# Altium PCB A_base2017.PcbDoc (part 2 of 4)
Units mil, origin at the board's own origin, x right, y up, seen from the top; angles counter-clockwise.
Board outline 7800.07 x 4185 mil, 2 copper layers (Top Layer, Bottom Layer); 147 components, 175 nets, 700 pads, 92 vias.
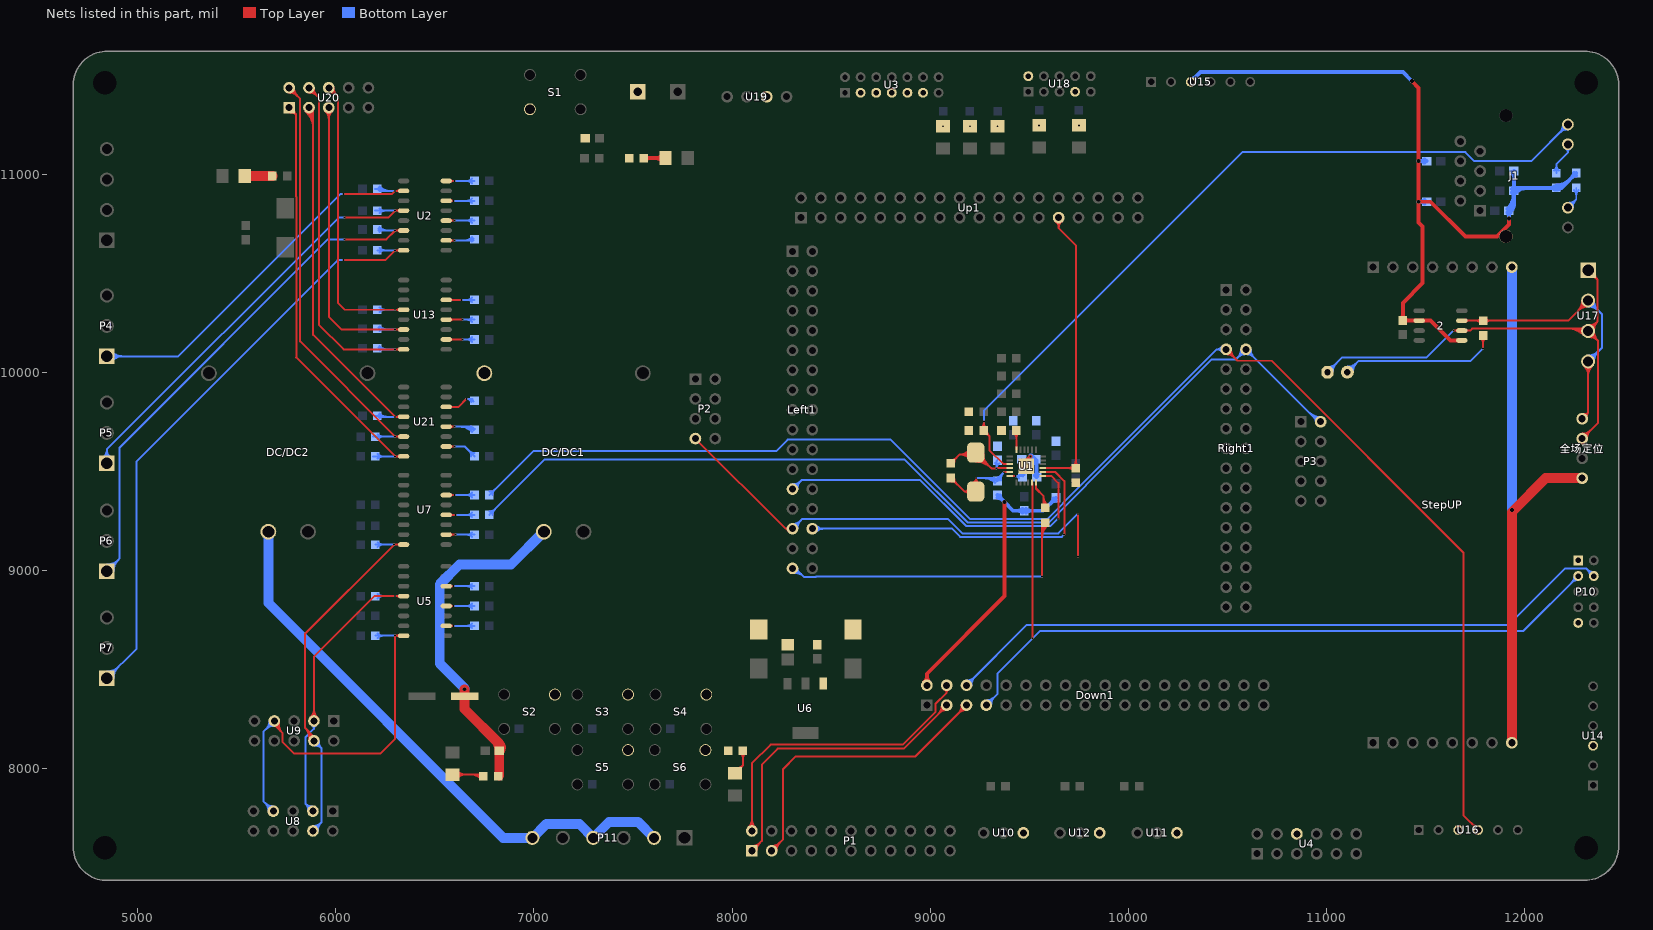
[diagram p2: the nets of this part, all layers, seen from the top]

## Via types
v1: diameter 10, hole 10, Top Layer to Bottom Layer, 80 vias
v2: diameter 20, hole 20, Top Layer to Bottom Layer, 11 vias
v3: diameter 12, hole 12, Top Layer to Bottom Layer, 1 vias

## Nets (pads, with @x,y where several pads share a name; then routed paths per layer and width w, separated by ;. In a path a pad name is that pad's centre, name@x,y a point inside that pad or via, vN(x,y) a via of type N, cw(c..) or ccw(c..) an arc to the next point about the centre after c; other vN are vias at no path point) (continued)
C8: R26.1 U5.12 U8.3 U9.3 | length 1898.2
  Top Layer w10: U9.3@5872.66,8257.34 ccw(c5830.79,8299.21) 5890,8299.21 ccw(c5949.21,8299.21) U9.3@5907.34,8257.34 ; U9.3@5879.73,8250.27 ccw(c5854.93,8275.07) 5890,8275.07 ccw(c5925.07,8275.07) U9.3@5900.27,8250.27 ; U9.3@5890,8240 5890,8565 6195,8870 v1(6300,8870) U5.12@6342.72,8870 ; U5.12@6321.17,8865.18 ccw(c6309.54,8853.56) 6309.54,8870 ccw(c6309.54,8886.44) U5.12@6321.17,8874.82
  Bottom Layer w10: U8.3@5860.55,7786.97 ccw(c5815.55,7790.6) 5847.47,7822.53 ; U8.3@5870.52,7786.17 ccw(c5843.87,7788.32) 5862.77,7807.23 ccw(c5881.68,7826.13) U8.3@5883.83,7799.48 ; U9.3@5878.95,8218.1 cw(c5869.88,8200.14) 5890,8200.14 ; U8.3@5883.03,7809.45 cw(c5879.4,7854.45) 5847.47,7822.53 ; U8.3@5885,7785 5847.47,7822.53 ; U9.3@5890,8240 5890,8200.14 ; U9.3@5901.05,8218.1 ccw(c5910.12,8200.14) 5890,8200.14 ; R26.1@6200,8870 v1(6300,8870) ; R26.1@6211.78,8858.22 cw(c6240.21,8829.79) 6240.21,8870 cw(c6240.21,8910.21) R26.1@6211.78,8881.78 ; 5847.47,7822.53 5847.47,8157.62 5890,8200.14
C9: R28.1 U7.16 U8.4 U9.4 | length 2347.5
  Top Layer w10: 5859.22,8190.78 cw(c5818.35,8149.9) U9.4@5875.61,8141.99 ; U9.4@5865.7,8143.36 ccw(c5793.36,8153.36) 5845,8205 ; 5873.45,8176.55 cw(c5843.34,8146.45) U9.4@5885.52,8140.62 ; U9.4@5890,8140 5890,8160 5845,8205 ; U7.16@6321.17,9125.18 ccw(c6309.54,9113.56) 6309.54,9130 ccw(c6309.54,9146.44) U7.16@6321.17,9134.82 ; U7.16@6342.72,9130 v1(6295,9130) 5845,8680 5845,8205
  Bottom Layer w10: U8.4@5885,7685 5927.53,7727.53 5927.53,7745 5927.53,8102.47 ; U8.4@5885,7699.53 ccw(c5885,7734.6) 5909.8,7709.8 ccw(c5934.6,7685) U8.4@5899.53,7685 ; U8.4@5885,7709.53 ccw(c5885,7768.74) 5926.87,7726.87 ccw(c5968.74,7685) U8.4@5909.53,7685 ; U9.4@5890,8140 5927.53,8102.47 ; U9.4@5891.17,8125.52 cw(c5893.32,8098.87) 5912.23,8117.77 cw(c5931.13,8136.68) U9.4@5904.48,8138.83 ; U9.4@5891.97,8115.55 cw(c5895.6,8070.55) 5927.53,8102.47 ; U9.4@5914.45,8138.03 ccw(c5959.45,8134.4) 5927.53,8102.47 ; R28.1@6200,9130 v1(6295,9130) ; R28.1@6211.78,9118.22 cw(c6240.21,9089.79) 6240.21,9130 cw(c6240.21,9170.21) R28.1@6211.78,9141.78
CANH: 2.6 U17.1 U17.3 U22.2 全场定位.3 | length 3469.1
  Top Layer w10: v1(11640,10210) 2.6@11682.28,10210 11725,10210 11734.85,10219.85 12308.06,10219.85 U17.3@12320,10207.91 ; 2.6@11660.73,10205.18 ccw(c11649.11,10193.56) 11649.11,10210 ccw(c11649.11,10226.44) 2.6@11660.73,10214.82 ; 2.6@11703.83,10205.18 cw(c11715.46,10193.56) 11715.46,10210 cw(c11715.46,10226.44) 2.6@11703.83,10214.82 ; 12217.71,10219.85 cw(c12217.71,10105.62) U17.3@12298.48,10186.39 ; 12241.85,10219.85 cw(c12241.85,10129.77) U17.3@12305.55,10193.47 ; 12265.99,10219.85 cw(c12265.99,10153.91) U17.3@12312.62,10200.54 ; 12275.35,10219.85 ccw(c12275.35,10252.57) U17.3@12298.48,10229.43 ; 全场定位.3@12290,9665 12370,9745 12370,10157.91 ; 全场定位.3@12290,9679.53 ccw(c12290,9714.6) 12314.8,9689.8 ccw(c12339.6,9665) 全场定位.3@12304.53,9665 ; 全场定位.3@12290,9689.53 ccw(c12290,9748.74) 12331.87,9706.87 ccw(c12373.74,9665) 全场定位.3@12314.53,9665 ; U17.1@12320,10515 12368.43,10466.57 ; U17.3@12320.56,10187.49 cw(c12321.8,10142.57) 12353.57,10174.34 cw(c12385.34,10206.12) U17.3@12340.43,10207.35 ; U17.3@12320.84,10177.49 cw(c12322.68,10110.59) 12370,10157.92 ; U17.3@12321.04,10228.32 ccw(c12323.15,10269.8) 12352.52,10240.43 ccw(c12381.88,10211.06) U17.3@12340.41,10208.95 ; U17.3@12321.55,10238.31 ccw(c12324.69,10300.08) 12368.43,10256.34 ; U17.1@12323.52,10490.88 cw(c12328.74,10455.06) 12354.34,10480.66 cw(c12379.94,10506.26) U17.1@12344.12,10511.48 ; U17.1@12324.96,10480.99 cw(c12332.33,10430.46) 12368.43,10466.57 ; U17.3@12350.42,10207.08 ccw(c12417.32,10205.24) 12370,10157.92 ; U17.3@12350.39,10209.46 cw(c12412.17,10212.61) 12368.43,10256.34 ; U17.1@12354.01,10510.04 ccw(c12404.54,10502.67) 12368.43,10466.57 ; U17.3@12320,10207.91 12370,10157.91 ; U17.3@12320,10207.91 12368.43,10256.35 ; 12368.43,10256.35 12368.43,10466.57
  Bottom Layer w10: U22.2@11005,10000 11080,10075 11505,10075 v1(11640,10210) ; U22.2@11005,10016 ccw(c11005,10054.63) 11032.31,10027.31 ccw(c11059.63,10000) U22.2@11021,10000 ; U22.2@11005,10026 ccw(c11005,10088.77) 11049.38,10044.38 ccw(c11093.77,10000) U22.2@11031,10000
CANL: 2.7 R63.1 U17.2 U17.4 全场定位.4 | length 2321.6
  Top Layer w10: 2.7@11682.28,10260 R63.1@11790,10260 12218.54,10260 U17.2@12320,10361.46 ; 2.7@11703.83,10255.18 cw(c11715.46,10243.56) 11715.46,10260 cw(c11715.46,10276.44) 2.7@11703.83,10264.82 ; R63.1@11778.22,10248.22 ccw(c11749.79,10219.79) 11749.79,10260 ccw(c11749.79,10300.21) R63.1@11778.22,10271.78 ; R63.1@11801.78,10248.22 cw(c11830.21,10219.79) 11830.21,10260 cw(c11830.21,10300.21) R63.1@11801.78,10271.78 ; U17.2@12289.57,10361.46 cw(c12216.1,10361.46) 12268.05,10309.5 cw(c12320,10257.55) U17.2@12320,10331.02 ; 全场定位.4@12290,9765 12320,9795 ; 全场定位.4@12296.38,9788.68 ccw(c12302.73,9812.27) 12320,9795 ; U17.4@12298.48,10032.85 cw(c12246.53,9980.9) 12320,9980.9 cw(c12393.47,9980.9) U17.4@12341.52,10032.85 ; U17.2@12299.57,10361.46 cw(c12250.24,10361.46) 12285.12,10326.58 cw(c12320,10291.69) U17.2@12320,10341.02 ; U17.4@12305.55,10039.92 cw(c12270.67,10005.04) 12320,10005.04 cw(c12369.33,10005.04) U17.4@12334.45,10039.92 ; 全场定位.4@12313.68,9771.38 cw(c12337.27,9777.73) 12320,9795 ; U17.4@12320,10054.37 12320,9795
  Bottom Layer w10: U17.4@12320,10054.37 12390,10124.37 12390,10291.46 U17.2@12320,10361.46 ; U17.4@12320,10074.8 ccw(c12320,10124.13) 12354.88,10089.25 ccw(c12389.76,10054.37) U17.4@12340.43,10054.37 ; U17.4@12320,10084.8 ccw(c12320,10158.27) 12371.95,10106.32 ccw(c12423.9,10054.37) U17.4@12350.43,10054.37 ; U17.2@12320,10331.02 cw(c12320,10257.55) 12371.95,10309.5 cw(c12423.9,10361.46) U17.2@12350.43,10361.46 ; U17.2@12320,10341.02 cw(c12320,10291.69) 12354.88,10326.58 cw(c12389.76,10361.46) U17.2@12340.43,10361.46
DIR1: R52.1 U13.16 U20.4 | length 2043.3
  Top Layer w10: U20.4@5865,11410.47 cw(c5865,11351.26) 5906.87,11393.13 cw(c5948.74,11435) U20.4@5889.53,11435 ; U20.4@5865,11420.47 cw(c5865,11385.4) 5889.8,11410.2 cw(c5914.6,11435) U20.4@5879.53,11435 ; U20.4@5865,11435 5915,11385 5915,10240 6040,10115 v1(6300,10115) U13.16@6342.72,10115 ; U13.16@6321.17,10110.18 ccw(c6309.54,10098.56) 6309.54,10115 ccw(c6309.54,10131.44) U13.16@6321.17,10119.82
  Bottom Layer w10: R52.1@6214.7,10124.7 ccw(c6238.13,10148.13) 6238.13,10115 ccw(c6238.13,10091.87) R52.1@6221.78,10108.22 ; R52.1@6215,10115 v1(6300,10115) ; R52.1@6221.78,10131.78 ccw(c6262.28,10172.28) 6262.28,10115
DIR2: R62.1 U20.3 U21.12 | length 2313.2
  Top Layer w10: U20.3@5847.66,11317.66 cw(c5754.46,11224.46) 5886.26,11224.46 ; U20.3@5854.73,11324.73 cw(c5778.6,11248.6) 5886.26,11248.6 ; U20.3@5861.8,11331.8 cw(c5802.74,11272.74) 5886.26,11272.74 ; U20.3@5865,11335 5886.26,11313.74 ; U20.3@5868.87,11338.87 cw(c5826.89,11296.89) 5886.26,11296.89 ; U20.3@5878.51,11314.53 cw(c5881.9,11309.38) 5886.26,11313.74 ; U20.3@5885.47,11321.49 ccw(c5890.62,11318.1) 5886.26,11313.74 ; U21.12@6321.17,9770.18 ccw(c6309.54,9758.56) 6309.54,9775 ccw(c6309.54,9791.44) U21.12@6321.17,9779.82 ; U21.12@6342.72,9775 v1(6300,9775) 5886.26,10188.74 5886.26,11313.74
  Bottom Layer w10: R62.1@6196.89,9780 R62.1@6210,9780 ; R62.1@6214.7,9784.7 ccw(c6238.13,9808.13) 6238.13,9775 ccw(c6238.13,9751.87) R62.1@6221.78,9768.22 ; R62.1@6215,9775 v1(6300,9775) ; R62.1@6221.78,9791.78 ccw(c6262.28,9832.28) 6262.28,9775
E5: P4.1 R20.1 U2.10 | length 2297.2
  Top Layer w10: v1(6040,10900) 6285,10900 v1(6300,10915) U2.10@6342.72,10915 ; U2.10@6321.17,10910.18 ccw(c6309.54,10898.56) 6309.54,10915 ccw(c6309.54,10931.44) U2.10@6321.17,10919.82
  Bottom Layer w10: P4.1@4845,10080 5205,10080 6025,10900 v1(6040,10900) ; P4.1@4862.23,10062.77 cw(c4903.83,10021.17) 4903.83,10080 cw(c4903.83,10138.83) P4.1@4862.23,10097.23 ; P4.1@4869.3,10055.7 cw(c4927.98,9997.02) 4927.98,10080 cw(c4927.98,10162.98) P4.1@4869.3,10104.3 ; R20.1@6196.89,10925 R20.1@6210,10925 6220,10915 v1(6300,10915) ; R20.1@6214.7,10929.7 ccw(c6250.21,10965.21) 6250.21,10915 ; R20.1@6221.78,10936.78 ccw(c6274.35,10989.35) 6274.35,10915
E6: P5.1 R18.1 U2.12 | length 2427.7
  Top Layer w10: v1(6045,10780) 6265,10780 v1(6300,10815) U2.12@6342.72,10815 ; U2.12@6321.17,10810.18 ccw(c6309.54,10798.56) 6309.54,10815 ccw(c6309.54,10831.44) U2.12@6321.17,10819.82
  Bottom Layer w10: P5.1@4823.98,9567.2 ccw(c4790.91,9610) 4845,9610 ; P5.1@4830.1,9559.28 ccw(c4806.65,9589.63) 4845,9589.63 ccw(c4883.35,9589.63) P5.1@4859.9,9559.28 ; P5.1@4845,9540 4845,9610 ; P5.1@4866.02,9567.2 cw(c4899.09,9610) 4845,9610 ; v1(6045,10780) 6015,10780 4845,9610 ; R18.1@6196.89,10815 R18.1@6210,10815 v1(6300,10815) ; R18.1@6221.78,10803.22 cw(c6250.21,10774.79) 6250.21,10815 cw(c6250.21,10855.21) R18.1@6221.78,10826.78
EN1: R56.1 U13.12 U20.6 | length 1754.9
  Top Layer w10: U20.6@5965.32,11420.48 cw(c5966.21,11379.33) 5995.31,11408.43 ; U20.6@5965.53,11410.48 cw(c5966.91,11346.92) 6011.87,11391.87 ; U20.6@5966.87,11436.87 6011.87,11391.87 ; U20.6@5989.53,11435 ccw(c6039.71,11435) 6004.23,11399.51 ; U13.12@6321.17,10310.18 ccw(c6309.54,10298.56) 6309.54,10315 ccw(c6309.54,10331.44) U13.12@6321.17,10319.82 ; U13.12@6342.72,10315 v1(6300,10315) 6045,10315 6011.87,10348.13 6011.87,11391.87
  Bottom Layer w10: R56.1@6210,10315 v1(6300,10315) ; R56.1@6221.78,10303.22 cw(c6250.21,10274.79) 6250.21,10315 cw(c6250.21,10355.21) R56.1@6221.78,10326.78
EN2: R54.1 U13.14 U20.5 | length 1807.8
  Top Layer w10: U20.5@5947.66,11317.66 cw(c5905.79,11275.79) 5965,11275.79 cw(c6024.21,11275.79) U20.5@5982.34,11317.66 ; U20.5@5954.73,11324.73 cw(c5929.93,11299.93) 5965,11299.93 cw(c6000.07,11299.93) U20.5@5975.27,11324.73 ; U20.5@5965,11335 5965,10280 6030,10215 v1(6300,10215) U13.14@6342.72,10215 ; U13.14@6321.17,10210.18 ccw(c6309.54,10198.56) 6309.54,10215 ccw(c6309.54,10231.44) U13.14@6321.17,10219.82
  Bottom Layer w10: R54.1@6214.7,10224.7 ccw(c6238.13,10248.13) 6238.13,10215 ccw(c6238.13,10191.87) R54.1@6221.78,10208.22 ; R54.1@6215,10215 v1(6300,10215) ; R54.1@6221.78,10231.78 ccw(c6262.28,10272.28) 6262.28,10215
ETH_MDC: Left1.25 U1.13 | length 1892
  Top Layer w10: U1.13@9567.25,9476.57 9610.23,9476.57 9646.8,9440 v1@9646.8,9260
  Bottom Layer w10: Left1.25@8305,9410 8350,9455 8949.54,9455 9180.54,9224 9607.31,9224 9643.31,9260 v1(9645,9260) ; Left1.25@8305,9424.53 ccw(c8305,9459.6) 8329.8,9434.8 ccw(c8354.6,9410) Left1.25@8319.53,9410 ; Left1.25@8305,9434.53 ccw(c8305,9493.74) 8346.87,9451.87 ccw(c8388.74,9410) Left1.25@8329.53,9410
ETH_MDIO: Left1.33 R1.1 | length 1858.6
  Top Layer w10: v1(9565,8970) 9565,9228.2 R1.1@9571.8,9235 ; 9565,9163.58 cw(c9656.42,9163.58) R1.1@9591.78,9228.22 ; 9565,9187.72 cw(c9632.28,9187.72) R1.1@9584.7,9235.3 ; 9565,9211.87 cw(c9608.13,9211.87) R1.1@9577.63,9242.37
  Bottom Layer w10: Left1.33@8305,9010 8320,9010 8362.53,8967.47 ; Left1.33@8305.62,9005.51 cw(c8310.2,8972.11) 8334.05,8995.95 ; Left1.33@8306.98,8995.61 cw(c8313.64,8947.07) 8348.29,8981.71 ; Left1.33@8308.34,8985.7 cw(c8317.08,8922.03) 8362.53,8967.47 ; Left1.33@8329.53,9010 ccw(c8352.53,9010) 8336.26,8993.74 ; v1(9565,8970) 8425.14,8970 8422.62,8967.47 8362.53,8967.47
ETH_RESET: R8.1 U1.15 Up1.27 | length 1718.2
  Top Layer w10: U1.15@9567.25,9515.94 9567.41,9515.79 R8.1@9734.53,9515.79 9734.53,10640.47 9648.15,10726.85 ; Up1.27@9632.25,10761.27 cw(c9602.96,10726.86) 9648.15,10726.86 ; Up1.27@9638.73,10768.88 cw(c9621.38,10748.5) 9648.15,10748.5 cw(c9674.91,10748.5) Up1.27@9657.56,10768.88 ; Up1.27@9648.15,10779.94 9648.15,10726.85 ; Up1.27@9664.04,10761.27 ccw(c9693.33,10726.86) 9648.15,10726.86 ; R8.1@9722.75,9504.01 ccw(c9694.32,9475.58) 9694.32,9515.79 ccw(c9694.32,9555.99) 9722.75,9527.56 ccw(c9694.32,9555.99) 9734.53,9555.99 ccw(c9774.73,9555.99) R8.1@9746.3,9527.56
F6: P6.1 R16.1 U2.14 | length 2961
  Top Layer w10: v1(6045,10670) 6255,10670 v1(6300,10715) U2.14@6342.72,10715 ; U2.14@6321.17,10710.18 ccw(c6309.54,10698.56) 6309.54,10715 ccw(c6309.54,10731.44) U2.14@6321.17,10719.82
  Bottom Layer w10: P6.1@4845,8995 4910,9060 4910,9620 5960,10670 v1(6045,10670) ; P6.1@4845,9019.37 ccw(c4845,9078.2) 4886.6,9036.6 ccw(c4928.2,8995) P6.1@4869.37,8995 ; P6.1@4845,9029.37 ccw(c4845,9112.35) 4903.67,9053.67 ccw(c4962.35,8995) P6.1@4879.37,8995 ; R16.1@6214.7,10724.7 ccw(c6238.13,10748.13) 6238.13,10715 ccw(c6238.13,10691.87) R16.1@6221.78,10708.22 ; R16.1@6215,10715 v1(6300,10715) ; R16.1@6221.78,10731.78 ccw(c6262.28,10772.28) 6262.28,10715
F7: P7.1 R14.1 U2.16 | length 3347.7
  Top Layer w10: v1(6040,10565) 6250,10565 v1(6300,10615) U2.16@6342.72,10615 ; U2.16@6321.17,10610.18 ccw(c6309.54,10598.56) 6309.54,10615 ccw(c6309.54,10631.44) U2.16@6321.17,10619.82
  Bottom Layer w10: P7.1@4845,8455 4995,8605 4995,9550 6010,10565 v1(6040,10565) ; P7.1@4845,8479.37 ccw(c4845,8538.2) 4886.6,8496.6 ccw(c4928.2,8455) P7.1@4869.37,8455 ; P7.1@4845,8489.37 ccw(c4845,8572.35) 4903.67,8513.67 ccw(c4962.35,8455) P7.1@4879.37,8455 ; R14.1@6210,10615 v1(6300,10615) ; R14.1@6221.78,10603.22 cw(c6250.21,10574.79) 6250.21,10615 cw(c6250.21,10655.21) R14.1@6221.78,10626.78
F8: R60.1 U20.2 U21.14 | length 2374.5
  Top Layer w10: U20.2@5765,11410.47 cw(c5765,11351.26) 5806.87,11393.13 cw(c5848.74,11435) U20.2@5789.53,11435 ; U20.2@5765,11420.47 cw(c5765,11385.4) 5789.8,11410.2 cw(c5814.6,11435) U20.2@5779.53,11435 ; U20.2@5765,11435 5820,11380 5820,10155 v1(6300,9675) U21.14@6342.72,9675 ; U21.14@6321.17,9670.18 ccw(c6309.54,9658.56) 6309.54,9675 ccw(c6309.54,9691.44) U21.14@6321.17,9679.82
  Bottom Layer w10: R60.1@6186.89,9675 R60.1@6200,9675 v1(6300,9675) ; R60.1@6211.78,9663.22 cw(c6240.21,9634.79) 6240.21,9675 cw(c6240.21,9715.21) R60.1@6211.78,9686.78
F9: R58.1 U20.1 U21.16 | length 2296.8
  Top Layer w10: U20.1@5765,11335 5800,11300 ; U20.1@5768.3,11310.69 cw(c5773.36,11273.36) 5800,11300 ; U20.1@5789.31,11331.7 ccw(c5826.64,11326.64) 5800,11300 ; U21.16@6321.17,9570.18 ccw(c6309.54,9558.56) 6309.54,9575 ccw(c6309.54,9591.44) U21.16@6321.17,9579.82 ; U21.16@6342.72,9575 v1(6300,9575) 5800,10075 5801.31,10076.31 5801.31,10884.72 5800,10886.03 5800,11300
  Bottom Layer w10: R58.1@6186.89,9575 R58.1@6200,9575 v1(6300,9575) ; R58.1@6211.78,9563.22 cw(c6240.21,9534.79) 6240.21,9575 cw(c6240.21,9615.21) R58.1@6211.78,9586.78
G6: R22.1 U5.16 U8.7 U9.7 | length 2445.7
  Top Layer w10: U9.7@5690,8240 5690,8220 5732.53,8177.47 ; U9.7@5694.46,8239.21 ccw(c5733.12,8232.4) 5705.36,8204.64 ; U9.7@5704.31,8237.48 ccw(c5756.21,8228.32) 5718.94,8191.06 ; U9.7@5714.15,8235.74 ccw(c5779.3,8224.25) 5732.53,8177.47 ; U5.16@6321.17,8665.18 ccw(c6309.54,8653.56) 6309.54,8670 ccw(c6309.54,8686.44) U5.16@6321.17,8674.82 ; U5.16@6342.72,8670 v1(6300,8670) 6300,8150 6225,8075 5790,8075 5732.53,8132.47 5732.53,8177.47
  Bottom Layer w10: U8.7@5660.47,7785 ccw(c5601.26,7785) 5643.13,7826.87 ccw(c5685,7868.74) U8.7@5685,7809.53 ; U9.7@5665.47,8240 cw(c5606.26,8240) 5648.13,8198.13 cw(c5690,8156.26) U9.7@5690,8215.47 ; U8.7@5670.47,7785 ccw(c5635.4,7785) 5660.2,7809.8 ccw(c5685,7834.6) U8.7@5685,7799.53 ; U9.7@5675.47,8240 cw(c5640.4,8240) 5665.2,8215.2 cw(c5690,8190.4) U9.7@5690,8225.47 ; U8.7@5685,7785 5635,7835 5635,8185 U9.7@5690,8240 ; R22.1@6200,8670 v1(6300,8670) ; R22.1@6211.78,8658.22 cw(c6240.21,8629.79) 6240.21,8670 cw(c6240.21,8710.21) R22.1@6211.78,8681.78
GGND: C18.2 C21.1 DC/DC1.Vin- DC/DC2.Vin- P11.2 P11.4 P11.6 R34.1 StepUP.2 StepUP.4 全场定位.1 | length 7557.4
  Top Layer w50: C18.2@6650,8365.54 v2(6650,8400) ; C18.2@6650.54,8365 6650.54,8299.46 6825,8125 ; 6802.6,8147.4 cw(c6745.21,8090) C21.1@6826.38,8090 ; R34.1@6825,7965 C21.1@6825,8090 6825,8125 ; C21.1@6827.68,8088 ccw(c6804.95,8104.95) 6825,8125 ; StepUP.2@11935,8130 11935,9295 ; v2@11940,9300 12105,9465 全场定位.1@12290,9465
  Bottom Layer w50: DC/DC2.Vin-@5660,9195 5660,8835 6845,7650 P11.6@6992.28,7650 7062.28,7720 7229.37,7720 P11.4@7299.37,7650 7379.37,7730 7526.46,7730 P11.2@7606.46,7650 ; v2(6650,8400) 6650,8405 6525,8530 6525,8930 6625,9030 6885,9030 DC/DC1.Vin-@7050,9195 ; v2(11935,9305) StepUP.4@11935,10530
GND: 2.2 2.5 C1.1 C2.1 C3.1 C4.1 C5.1 C6.1 C7.1 C8.1 C9.1 C10.1 C11.2 C12.1 C13.1 C14.2 C15.2 C16.2 C19.1 C20.1 C23.1 C24.2 DC/DC1.Vout- Down1.2 J1.13 P8.1 P10.1 P10.9 R6.2 R7.2 R8.2 R9.2 R10.1 R11.1 R35.1 R36.2 S1.2 S2.2 S3.2 S4.2 S5.2 S6.2 U1.25 U3.3 U3.5 U3.7 U3.9 U3.11 U4.6 U6.1 U10.3 U11.3 U12.3 U14.3 U15.3 U16.3 U18.2 U18.7 U19.2 | length 6863.2
  Top Layer w20: Down1.2@8969.26,8433.72 ccw(c8935.93,8467.06) 8983.07,8467.06 ccw(c9030.22,8467.06) Down1.2@8996.88,8433.72 ; Down1.2@8983.07,8419.91 8983.07,8478.07 9374.45,8869.45 v2(9374.45,9345) ; U1.25@9484.53,9525.79 9484.53,9554.53 v1(9505,9575) ; C24.2@11376.76,10271.07 ccw(c11356.87,10290.97) 11385,10290.97 ccw(c11413.13,10290.97) C24.2@11393.24,10271.07 ; C24.2@11393.24,10252.63 cw(c11413.13,10232.73) 11413.13,10260.87 cw(c11413.13,10289) C24.2@11393.24,10269.11 ; v2(11430,11470) 11465,11435 v2(11465,11065) v2(11465,10860) ; 2.2@11466.85,10260.87 C24.2@11385,10260.87 11385,10350 11485,10450 11485,10735 11465,10755 v2(11465,10860) ; 2.2@11467.72,10260 11525,10260 11625,10160 2.5@11682.28,10160 ; v2(11920,10775) 11920,10745 11859.88,10684.88 11700.12,10684.88 11525,10860 v2(11465,10860)
  Bottom Layer w10: R11.1@12160,10930 12185,10930 ; R11.1@12175.37,10923.58 cw(c12185,10919.56) 12185,10930 ; R11.1@12175.37,10936.42 ccw(c12185,10940.44) 12185,10930
  Bottom Layer w20: C11.2@9339.53,9366.3 cw(c9339.53,9333.41) 9362.78,9356.67 ; C11.2@9339.53,9379.92 v2(9374.45,9345) 9418.66,9300.79 C8.1@9474.53,9300.79 9569.53,9300.79 C12.1@9634.53,9365.79 ; C11.2@9351.18,9377.95 ccw(c9374.56,9377.95) C11.2@9358.03,9361.42 ; C8.1@9466.29,9292.55 ccw(c9446.39,9272.65) 9446.39,9300.79 ccw(c9446.39,9328.92) C8.1@9466.29,9309.03 ; C8.1@9482.77,9292.55 cw(c9502.66,9272.65) 9502.66,9300.79 cw(c9502.66,9328.92) C8.1@9482.77,9309.03 ; v1(9505,9575) 9516.8,9575 C7.1@9531.8,9560 ; C7.1@9525.53,9551.76 cw(c9498.32,9524.55) 9536.8,9524.55 ; C6.1@9528.56,9478.24 ccw(c9508.67,9498.13) 9536.8,9498.13 ccw(c9564.94,9498.13) C6.1@9545.04,9478.24 ; C6.1@9536.8,9470 C7.1@9536.8,9555 ; 9611.27,9342.53 cw(c9634.53,9319.28) C12.1@9634.53,9352.17 ; C12.1@9616.03,9347.29 ccw(c9599.49,9363.82) C12.1@9622.87,9363.82 ; U15.3@10315,11465 10365,11515 11385,11515 v2(11430,11470) ; U15.3@10315,11480 ccw(c10315,11516.21) 10340.61,11490.61 ccw(c10366.21,11465) U15.3@10330,11465 ; v2(11465,10860) C3.1@11505,10860 ; v2(11465,11065) C5.1@11505,11065 ; C3.1@11494.79,10851.76 ccw(c11474.9,10831.87) 11474.9,10860 ccw(c11474.9,10888.13) C3.1@11494.79,10868.24 ; C5.1@11494.79,11056.76 ccw(c11474.9,11036.87) 11474.9,11065 ccw(c11474.9,11093.13) C5.1@11494.79,11073.24 ; C2.1@11911.76,10806.76 cw(c11891.87,10786.87) 11920,10786.87 cw(c11948.13,10786.87) C2.1@11928.24,10806.76 ; C2.1@11913.73,10823.24 ccw(c11838.23,10898.74) C4.1@11945,10898.74 ; v2(11920,10775) C2.1@11920,10815 11945,10840 C4.1@11945,10915 C1.1@11945,11015 ; C2.1@11921.97,10826.65 ccw(c11921.97,10850.04) C2.1@11938.5,10833.5 ; C2.1@11927.87,10809.1 ccw(c11886.52,10850.45) 11945,10850.45 ; C2.1@11933.62,10815 cw(c11966.51,10815) 11943.25,10838.25 ; C4.1@11936.76,10906.76 cw(c11916.87,10886.87) 11945,10886.87 cw(c11973.13,10886.87) C4.1@11953.24,10906.76 ; C4.1@11936.76,10923.24 ccw(c11916.87,10943.13) 11945,10943.13 ccw(c11973.13,10943.13) C4.1@11953.24,10923.24 ; C1.1@11936.76,11006.76 cw(c11916.87,10986.87) 11945,10986.87 cw(c11973.13,10986.87) C1.1@11953.24,11006.76 ; C4.1@11941.07,10920.9 cw(c11963.03,10898.94) C4.1@11963.03,10930 ; C4.1@11955.21,10906.76 cw(c12011.32,10850.65) 12011.32,10930 ; C4.1@11960,10930 R11.1@12160,10930 ; R11.1@12151.76,10921.76 ccw(c12131.87,10901.87) 12131.87,10930 ccw(c12131.87,10958.13) R11.1@12151.76,10938.24 ; R11.1@12160,10921.65 ccw(c12160,10961.86) 12188.43,10933.43 ; R11.1@12160,10941.65 ccw(c12160,11030.14) 12222.57,10967.57 ; 12185,10930 R10.1@12260,11005 ; R10.1@12248.35,11005 cw(c12220.21,11005) 12240.11,10985.11 cw(c12260,10965.21) R10.1@12260,10993.35 ; 9505,9580 cw(c9505,9563.58) 9516.61,9575.19 ccw(c9505,9563.58) 9505,9580
LINK_LED: J1.12 R6.1 U1.3 | length 4196
  Top Layer w10: R6.1@9258.03,9717.84 ccw(c9227.36,9750) v1(9271.8,9750) R6.1@9271.8,9708.06 ; R6.1@9269.53,9689.13 cw(c9269.53,9648.93) 9297.96,9677.36 cw(c9326.39,9705.79) R6.1@9286.18,9705.79 ; R6.1@9269.53,9705.79 9298.8,9676.51 9298.8,9607.09 9370.26,9535.63 U1.3@9401.8,9535.63 ; 9271.8,9740.5 ccw(c9304.24,9740.5) R6.1@9281.3,9717.56
  Bottom Layer w10: v1(9271.8,9750) 9271.8,9806.8 10575,11110 11700,11110 11745,11065 12033.07,11065 J1.12@12217.91,11249.84 ; J1.12@12193.39,11249.84 cw(c12134.17,11249.84) 12176.04,11207.97 cw(c12217.91,11166.1) J1.12@12217.91,11225.31 ; J1.12@12203.39,11249.84 cw(c12168.31,11249.84) 12193.11,11225.04 cw(c12217.91,11200.24) J1.12@12217.91,11235.32
NetC6_2: C6.2 C7.2 U1.6 | length 331.4
  Top Layer w10: U1.6@9401.8,9476.57 v1@9428.43,9476.57
  Bottom Layer w10: 9435.83,9475 ccw(c9435.83,9498.13) 9452.19,9481.78 ccw(c9431.08,9502.89) 9460.94,9502.89 ; C6.2@9448.87,9462.97 ccw(c9430,9454.19) v1(9430,9475) 9460.94,9475 C7.2@9460.94,9560 ; C7.2@9449.16,9548.22 cw(c9420.73,9519.79) 9460.94,9519.79 cw(c9501.14,9519.79) C7.2@9472.71,9548.22 ; 9460.94,9493.38 ccw(c9487.35,9493.38) C6.2@9468.67,9474.7 ; 9460.94,9517.52 ccw(c9511.49,9517.52) C6.2@9475.74,9481.78
NetC11_1: C11.1 R12.2 U1.5 Y1.2 | length 848.5
  Top Layer w10: R12.2@9104.53,9449.33 cw(c9104.53,9409.13) 9132.96,9437.55 cw(c9161.39,9465.98) R12.2@9121.18,9465.98 ; R12.2@9104.53,9465.98 9173.15,9397.36 ; Y1.2@9193.91,9383.26 ccw(c9173.15,9375.03) 9173.15,9397.36 ; Y1.2@9193.91,9411.47 cw(c9173.15,9419.69) 9173.15,9397.36 ; Y1.2@9215.4,9440.84 ccw(c9205.82,9465) v1(9231.8,9465) ; Y1.2@9219.09,9431.55 ccw(c9211.66,9450.27) 9231.8,9450.27 ; Y1.2@9247.41,9439.11 cw(c9261.07,9465) v1(9231.8,9465) ; v1@9373.06,9496.26 U1.5@9401.8,9496.26 ; 9173.15,9397.36 Y1.2@9229.53,9397.36 9231.8,9399.64 v1(9231.8,9465)
  Bottom Layer w10: v1(9231.8,9465) 9325.31,9465 C11.1@9339.53,9450.79 9339.53,9462.72 v1(9371.8,9495) ccw(c9409.82,9456.98) C11.1@9356.15,9453.76 ; 9269.76,9465 cw(c9269.76,9382.99) C11.1@9327.75,9440.98 ; 9293.9,9465 cw(c9293.9,9407.13) C11.1@9334.82,9448.05 ; C11.1@9318.05,9465 cw(c9318.05,9431.28) C11.1@9341.89,9455.12 ; C11.1@9339.53,9469.41 ccw(c9339.53,9485.55) C11.1@9350.94,9474.14 ; C11.1@9346.17,9453.16 cw(c9380.16,9455.2) 9356.08,9479.28
NetC14_1: C14.1 R12.1 U1.4 Y1.1 | length 1012
  Top Layer w10: R12.1@9104.53,9540.79 9148.74,9585 ; R12.1@9104.53,9557.44 ccw(c9104.53,9597.65) 9132.96,9569.22 ccw(c9161.39,9540.79) R12.1@9121.18,9540.79 ; 9169.12,9585 ccw(c9169.12,9633.06) Y1.1@9207.14,9603.66 ; 9170.6,9585 cw(c9170.6,9535.43) Y1.1@9208.11,9567.83 ; Y1.1@9199.23,9609.77 cw(c9148.74,9648.82) 9148.74,9585 ; Y1.1@9200.54,9561.3 ccw(c9148.74,9516.56) 9148.74,9585 ; Y1.1@9229.53,9548.03 cw(c9229.53,9436.54) 9308.36,9515.38 ; Y1.1@9229.53,9558.03 cw(c9229.53,9470.68) 9291.29,9532.45 ; Y1.1@9229.53,9568.03 cw(c9229.53,9504.82) 9274.22,9549.52 ; Y1.1@9257.83,9586.34 ccw(c9307.16,9586.34) 9272.28,9551.46 ; Y1.1@9267.83,9586.34 ccw(c9341.31,9586.34) 9289.35,9534.39 ; v1(9335,9515) 9308.74,9515 Y1.1@9229.53,9594.21 9220.31,9585 9148.74,9585 ; v1@9335.94,9515.94 U1.4@9401.8,9515.94
  Bottom Layer w10: C14.1@9327.75,9542.04 cw(c9310.25,9524.54) 9335,9524.54 ; v1@9335,9514.74 cw(c9364.99,9514.74) C14.1@9348.62,9539.87 ; v1(9335,9515) 9335,9551.26 C14.1@9339.53,9555.79
NetD1_2: D1.2 R37.2 | length 139.2
  Top Layer w50: D1.2@5541,10990 R37.2@5680.2,10990
NetD2_2: D2.2 R34.2 | length 397.9
  Top Layer w10: D2.2@6590,7969 R34.2@6736.2,7969 ; D2.2@6605.31,7957.69 cw(c6632.63,7930.37) 6632.63,7969 cw(c6632.63,8007.63) D2.2@6605.31,7980.31 ; D2.2@6612.38,7950.62 cw(c6656.77,7906.23) 6656.77,7969 cw(c6656.77,8031.77) D2.2@6612.38,7987.38 ; 6683.26,7969 cw(c6683.26,7898.07) R34.2@6733.42,7948.22 ; 6707.41,7969 cw(c6707.41,7922.21) R34.2@6740.49,7955.3
NetD3_2: D3.2 R35.2 | length 295.4
  Top Layer w10: D3.2@8015,7976 8054.8,8015.8 ; D3.2@8019.85,8001.99 ccw(c8021.39,8049.22) 8054.8,8015.8 ; D3.2@8034.67,7979.24 cw(c8059.92,7984.45) D3.2@8041.69,8002.69 ; R35.2@8043.03,8078.22 cw(c8014.6,8049.79) 8054.8,8049.79 cw(c8095.01,8049.79) R35.2@8066.58,8078.22 ; D3.2@8044.46,7981.26 cw(c8081.66,7988.94) 8054.8,8015.8 ; R35.2@8054.8,8090 8054.8,8015.8
NetD4_2: D4.2 R36.1 | length 232.8
  Top Layer w20: R36.1@7555,11080 D4.2@7664,11080 ; R36.1@7563.24,11071.76 cw(c7583.13,11051.87) 7583.13,11080 cw(c7583.13,11108.13) R36.1@7563.24,11088.24 ; D4.2@7649.15,11065.15 ccw(c7613.3,11029.3) 7613.3,11080 ccw(c7613.3,11130.7) D4.2@7649.15,11094.85
NetJ1_10: J1.10 R10.2 | length 328.9
  Bottom Layer w10: J1.10@12217.91,10830 12260,10872.09 R10.2@12260,10930.2 ; J1.10@12217.91,10844.53 ccw(c12217.91,10879.6) 12242.71,10854.8 ccw(c12267.51,10830) J1.10@12232.44,10830 ; J1.10@12217.91,10854.53 ccw(c12217.91,10913.74) 12259.78,10871.87 ccw(c12301.66,10830) J1.10@12242.44,10830 ; R10.2@12248.22,10918.42 cw(c12219.79,10889.99) 12260,10889.99 cw(c12300.21,10889.99) R10.2@12271.78,10918.42
NetJ1_11: J1.11 R11.2 | length 282.7
  Bottom Layer w10: R11.2@12148.22,11016.58 ccw(c12119.79,11045.01) 12160,11045.01 ccw(c12200.21,11045.01) R11.2@12171.78,11016.58 ; R11.2@12160,11004.8 12160,11050 12217.91,11107.91 ; J1.11@12205.82,11128.66 cw(c12194.07,11107.92) 12217.91,11107.92 ; J1.11@12217.91,11150 12217.91,11107.91 ; J1.11@12230,11128.66 ccw(c12241.75,11107.92) 12217.91,11107.92
NetPD1_1: PD1.1 R39.1
  other v1: 9550,11246
NetPD2_1: PD2.1 R42.1
  other v1: 9340,11241
NetPD3_1: PD3.1 R43.1
  other v1: 9750,11246
NetPG1_1: PG1.1 R41.1
  other v1: 9065,11241
NetPG2_1: PG2.1 R40.1
  other v1: 9200,11241
NetR1_2: R1.2 U1.12 | length 246.8
  Top Layer w10: U1.12@9533.74,9443.06 9533.74,9413.06 9571.8,9375 R1.2@9571.8,9309.8 ; R1.2@9568.22,9326.58 ccw(c9559.58,9335.22) R1.2@9571.8,9335.22 ; 9571.8,9350.66 ccw(c9615.85,9350.66) R1.2@9584.7,9319.51 ; 9571.8,9374.8 ccw(c9639.99,9374.8) R1.2@9591.78,9326.58
NetR9_1: R9.1 U1.24 | length 159.6
  Top Layer w10: R9.1@9422.75,9694.01 cw(c9392.42,9663.68) 9435.31,9663.68 ; U1.24@9435.31,9608.51 R9.1@9435.31,9705 ; 9435.31,9667.48 cw(c9472.83,9667.48) R9.1@9446.3,9694.01
NetR15_2: R15.2 U2.2 | length 252.9
  Top Layer w10: U2.2@6557.28,10665 v1(6600,10665) ; U2.2@6578.83,10660.18 cw(c6590.46,10648.56) 6590.46,10665 cw(c6590.46,10681.44) U2.2@6578.83,10669.82
  Bottom Layer w10: v1(6600,10665) R15.2@6695.2,10665 ; 6647.92,10665 ccw(c6647.92,10722.28) R15.2@6688.42,10681.78 ; R15.2@6688.42,10658.22 ccw(c6672.06,10641.87) 6672.06,10665 ccw(c6672.06,10698.13) R15.2@6695.49,10674.7
NetR17_2: R17.2 U2.4 | length 231.9
  Top Layer w10: U2.4@6557.28,10765 v1(6600,10765) ; U2.4@6578.83,10760.18 cw(c6590.46,10748.56) 6590.46,10765 cw(c6590.46,10781.44) U2.4@6578.83,10769.82
  Bottom Layer w10: v1(6600,10765) R17.2@6700.2,10765 ; R17.2@6688.42,10753.22 ccw(c6659.99,10724.79) 6659.99,10765 ccw(c6659.99,10805.21) R17.2@6688.42,10776.78
NetR19_2: R19.2 U2.6 | length 231.9
  Top Layer w10: U2.6@6557.28,10865 v1(6595,10865) ; U2.6@6578.83,10860.18 cw(c6590.46,10848.56) 6590.46,10865 cw(c6590.46,10881.44) U2.6@6578.83,10869.82
  Bottom Layer w10: v1(6595,10865) R19.2@6700.2,10865 ; R19.2@6688.42,10853.22 ccw(c6659.99,10824.79) 6659.99,10865 ccw(c6659.99,10905.21) R19.2@6688.42,10876.78
NetR21_2: R21.2 U2.8 | length 231.9
  Top Layer w10: U2.8@6557.28,10965 v1(6600,10965) ; U2.8@6578.83,10960.18 cw(c6590.46,10948.56) 6590.46,10965 cw(c6590.46,10981.44) U2.8@6578.83,10969.82
  Bottom Layer w10: v1(6600,10965) R21.2@6700.2,10965 ; R21.2@6688.42,10953.22 ccw(c6659.99,10924.79) 6659.99,10965 ccw(c6659.99,11005.21) R21.2@6688.42,10976.78
NetR23_2: R23.2 U5.2 | length 231.9
  Top Layer w10: U5.2@6557.28,8720 v1(6595,8720) ; U5.2@6578.83,8715.18 cw(c6590.46,8703.56) 6590.46,8720 cw(c6590.46,8736.44) U5.2@6578.83,8724.82
  Bottom Layer w10: v1(6595,8720) R23.2@6700.2,8720 ; R23.2@6688.42,8708.22 ccw(c6659.99,8679.79) 6659.99,8720 ccw(c6659.99,8760.21) R23.2@6688.42,8731.78
NetR25_2: R25.2 U5.4 | length 231.9
  Top Layer w10: U5.4@6557.28,8820 v1(6595,8820) ; U5.4@6578.83,8815.18 cw(c6590.46,8803.56) 6590.46,8820 cw(c6590.46,8836.44) U5.4@6578.83,8824.82
  Bottom Layer w10: v1(6595,8820) R25.2@6700.2,8820 ; R25.2@6688.42,8808.22 ccw(c6659.99,8779.79) 6659.99,8820 ccw(c6659.99,8860.21) R25.2@6688.42,8831.78
NetR27_2: R27.2 U5.6 | length 231.9
  Top Layer w10: U5.6@6557.28,8920 v1(6595,8920) ; U5.6@6578.83,8915.18 cw(c6590.46,8903.56) 6590.46,8920 cw(c6590.46,8936.44) U5.6@6578.83,8924.82
  Bottom Layer w10: v1(6595,8920) R27.2@6700.2,8920 ; R27.2@6688.42,8908.22 ccw(c6659.99,8879.79) 6659.99,8920 ccw(c6659.99,8960.21) R27.2@6688.42,8931.78
NetR29_2: R29.2 U7.2 | length 231.9
  Top Layer w10: U7.2@6557.28,9180 v1(6605,9180) ; U7.2@6578.83,9175.18 cw(c6590.46,9163.56) 6590.46,9180 cw(c6590.46,9196.44) U7.2@6578.83,9184.82
  Bottom Layer w10: v1(6605,9180) R29.2@6700.2,9180 ; R29.2@6688.42,9168.22 ccw(c6659.99,9139.79) 6659.99,9180 ccw(c6659.99,9220.21) R29.2@6688.42,9191.78
NetR31_2: R31.2 U7.4 | length 231.9
  Top Layer w10: U7.4@6557.28,9280 v1(6605,9280) ; U7.4@6578.83,9275.18 cw(c6590.46,9263.56) 6590.46,9280 cw(c6590.46,9296.44) U7.4@6578.83,9284.82
  Bottom Layer w10: v1(6605,9280) R31.2@6700.2,9280 ; R31.2@6688.42,9268.22 ccw(c6659.99,9239.79) 6659.99,9280 ccw(c6659.99,9320.21) R31.2@6688.42,9291.78
NetR33_2: R33.2 U7.6 | length 231.9
  Top Layer w10: U7.6@6557.28,9380 v1(6600,9380) ; U7.6@6578.83,9375.18 cw(c6590.46,9363.56) 6590.46,9380 cw(c6590.46,9396.44) U7.6@6578.83,9384.82
  Bottom Layer w10: v1(6600,9380) R33.2@6700.2,9380 ; R33.2@6688.42,9368.22 ccw(c6659.99,9339.79) 6659.99,9380 ccw(c6659.99,9420.21) R33.2@6688.42,9391.78
NetR53_2: R53.2 U13.2 | length 231.9
  Top Layer w10: U13.2@6557.28,10165 v1(6640,10165) ; U13.2@6578.83,10160.18 cw(c6590.46,10148.56) 6590.46,10165 cw(c6590.46,10181.44) U13.2@6578.83,10169.82
  Bottom Layer w10: v1(6640,10165) R53.2@6700.2,10165 ; R53.2@6688.42,10153.22 ccw(c6659.99,10124.79) 6659.99,10165 ccw(c6659.99,10205.21) R53.2@6688.42,10176.78
NetR55_2: R55.2 U13.4 | length 231.9
  Top Layer w10: U13.4@6557.28,10265 v1(6640,10265) ; U13.4@6578.83,10260.18 cw(c6590.46,10248.56) 6590.46,10265 cw(c6590.46,10281.44) U13.4@6578.83,10269.82
  Bottom Layer w10: v1(6640,10265) R55.2@6700.2,10265 ; R55.2@6688.42,10253.22 ccw(c6659.99,10224.79) 6659.99,10265 ccw(c6659.99,10305.21) R55.2@6688.42,10276.78
NetR57_2: R57.2 U13.6 | length 231.9
  Top Layer w10: U13.6@6557.28,10365 v1(6635,10365) ; U13.6@6578.83,10360.18 cw(c6590.46,10348.56) 6590.46,10365 cw(c6590.46,10381.44) U13.6@6578.83,10369.82
  Bottom Layer w10: v1(6635,10365) R57.2@6700.2,10365 ; R57.2@6688.42,10353.22 ccw(c6659.99,10324.79) 6659.99,10365 ccw(c6659.99,10405.21) R57.2@6688.42,10376.78
NetR59_2: R59.2 U21.2 | length 252.6
  Top Layer w10: U21.2@6557.28,9625 v1(6600,9625) ; U21.2@6578.83,9620.18 cw(c6590.46,9608.56) 6590.46,9625 cw(c6590.46,9641.44) U21.2@6578.83,9629.82
  Bottom Layer w10: v1(6600,9625) 6650.2,9625 R59.2@6700.2,9575 ; R59.2@6683.54,9575 ccw(c6643.34,9575) 6671.77,9603.43 ccw(c6700.2,9631.86) R59.2@6700.2,9591.65
NetR61_2: R61.2 U21.4 | length 333.5
  Top Layer w10: U21.4@6557.28,9725 v1(6600,9725) ; U21.4@6578.83,9720.18 cw(c6590.46,9708.56) 6590.46,9725 cw(c6590.46,9741.44) U21.4@6578.83,9729.82
  Bottom Layer w10: v1(6600,9725) 6685.2,9725 R61.2@6700.2,9710 ; 6623.78,9725 cw(c6623.78,9633.58) R61.2@6688.42,9698.22 ; 6647.92,9725 cw(c6647.92,9657.72) R61.2@6695.49,9705.3 ; 6672.06,9725 cw(c6672.06,9681.87) R61.2@6702.56,9712.37
NetR63_2: R63.2 U22.1 | length 1033.7
  Top Layer w10: R63.2@11778.22,10173.42 cw(c11749.79,10144.99) 11790,10144.99 cw(c11830.21,10144.99) R63.2@11801.78,10173.42 ; v1(11790,10120) R63.2@11790,10185.2
  Bottom Layer w10: U22.1@11105,10000 11162,10057 11727,10057 v1(11790,10120) ; U22.1@11105,10017.5 ccw(c11105,10059.75) 11134.87,10029.87 ccw(c11164.75,10000) U22.1@11122.5,10000 ; U22.1@11105,10027.5 ccw(c11105,10093.89) 11151.95,10046.95 ccw(c11198.89,10000) U22.1@11132.5,10000
NetR64_2: R64.2 U21.6 | length 231
  Top Layer w10: U21.6@6557.28,9825 6620,9825 v1(6660,9865) ; U21.6@6578.83,9820.18 cw(c6590.46,9808.56) 6590.46,9825 cw(c6590.46,9841.44) U21.6@6578.83,9829.82
  Bottom Layer w10: 6675.08,9865 cw(c6675.08,9844.39) R64.2@6694.07,9852.41 ; R64.2@6684.86,9848.52 ccw(c6660,9838.02) v1(6660,9865) R64.2@6690.2,9865
PA0: Left1.29 P2.7 | length 2604.2
  Top Layer w10: P2.7@7815,9665 8270,9210 ; Left1.29@8281.94,9201.63 ccw(c8270,9197.29) 8270,9210 ; Left1.29@8281.94,9218.37 cw(c8270,9222.71) 8270,9210 ; Left1.29@8305,9210 8270,9210 ; v1(9745,9070) v1(9745,9285)
  Bottom Layer w10: Left1.29@8305,9210 8355,9260 9089.54,9260 9162.54,9187 9647,9187 v1(9745,9285) ; Left1.29@8305,9224.53 ccw(c8305,9259.6) 8329.8,9234.8 ccw(c8354.6,9210) Left1.29@8319.53,9210 ; Left1.29@8305,9234.53 ccw(c8305,9293.74) 8346.87,9251.87 ccw(c8388.74,9210) Left1.29@8329.53,9210
PA1: Left1.30 U1.14 | length 1838.4
  Top Layer w10: U1.14@9567.25,9496.26 9630.54,9496.26 9676.8,9450 v1@9676.8,9180
  Bottom Layer w10: Left1.30@8405,9210 9110,9210 9151,9169 9664,9169 v1(9675,9180) ; Left1.30@8415.27,9199.73 cw(c8440.07,9174.93) 8440.07,9210 cw(c8440.07,9245.07) Left1.30@8415.27,9220.27 ; Left1.30@8422.34,9192.66 cw(c8464.21,9150.79) 8464.21,9210 cw(c8464.21,9269.21) Left1.30@8422.34,9227.34
PA3: Down1.3 P1.1 | length 1810.9
  Top Layer w10: P1.1@8100,7585 8150,7635 8150,8020 8230,8100 8866.05,8100 9083.07,8317.02 Down1.3@9083.07,8319.91 ; P1.1@8100,7599.53 ccw(c8100,7634.6) 8124.8,7609.8 ccw(c8149.6,7585) P1.1@8114.53,7585 ; P1.1@8100,7609.53 ccw(c8100,7668.74) 8141.87,7626.87 ccw(c8183.74,7585) P1.1@8124.53,7585 ; 9039.15,8273.1 ccw(c8992.34,8319.91) Down1.3@9058.54,8319.91 ; 9046.14,8280.09 cw(c9083.07,8243.16) Down1.3@9083.07,8295.39 ; 9056.22,8290.17 ccw(c9026.48,8319.91) Down1.3@9068.54,8319.91 ; 9063.22,8297.16 cw(c9083.07,8277.3) Down1.3@9083.07,8305.39
PA4: Down1.4 P1.2 | length 1716.6
  Top Layer w10: P1.2@8082.66,7702.34 ccw(c8040.79,7744.21) 8100,7744.21 ccw(c8159.21,7744.21) P1.2@8117.34,7702.34 ; P1.2@8089.73,7695.27 ccw(c8064.93,7720.07) 8100,7720.07 ccw(c8135.07,7720.07) P1.2@8110.27,7695.27 ; P1.2@8100,7685 8100,8025.46 8194.54,8120 8860.6,8120 9025.6,8285 9025.6,8325.6 9083.07,8383.07 ; Down1.4@9073.61,8397.29 cw(c9067.67,8383.07) 9083.07,8383.07 ; Down1.4@9083.07,8419.91 9083.07,8383.07 ; Down1.4@9092.53,8397.29 ccw(c9098.48,8383.07) 9083.07,8383.07
PA5: Down1.5 P1.3 | length 1791.6
  Top Layer w10: P1.3@8200,7585 8257.47,7642.47 8257.47,7997.47 8320,8060 8923.16,8060 Down1.5@9183.07,8319.91 ; P1.3@8200,7599.53 ccw(c8200,7634.6) 8224.8,7609.8 ccw(c8249.6,7585) P1.3@8214.53,7585 ; P1.3@8200,7609.53 ccw(c8200,7668.74) 8241.87,7626.87 ccw(c8283.74,7585) P1.3@8224.53,7585 ; Down1.5@9158.54,8319.91 cw(c9099.33,8319.91) 9141.2,8278.04 cw(c9183.07,8236.17) Down1.5@9183.07,8295.39 ; Down1.5@9168.54,8319.91 cw(c9133.47,8319.91) 9158.27,8295.11 cw(c9183.07,8270.31) Down1.5@9183.07,8305.39
PA6: Down1.6 P10.4 | length 3650.1
  Bottom Layer w10: Down1.6@9183.07,8419.91 9488.16,8725 11920,8725 12205,9010 12310,9010 P10.4@12348.74,8971.26 ; Down1.6@9183.07,8434.44 ccw(c9183.07,8469.51) 9207.87,8444.71 ccw(c9232.67,8419.91) Down1.6@9197.6,8419.91 ; Down1.6@9183.07,8444.44 ccw(c9183.07,8503.66) 9224.94,8461.79 ccw(c9266.81,8419.91) Down1.6@9207.6,8419.91 ; P10.4@12328.74,8971.26 ccw(c12280.46,8971.26) 12314.6,9005.4 ccw(c12348.74,9039.54) P10.4@12348.74,8991.26
PA7: Down1.7 P10.3 U1.11 | length 4329.9
  Top Layer w10: U1.11@9514.06,9443.06 9515.74,9441.38 v1@9515.74,8655
  Bottom Layer w10: Down1.7@9283.07,8319.91 9340.54,8377.39 9340.54,8480.54 v1(9515,8655) 9555,8695 11993.74,8695 P10.3@12270,8971.26 ; Down1.7@9283.07,8334.44 ccw(c9283.07,8369.51) 9307.87,8344.71 ccw(c9332.67,8319.91) Down1.7@9297.6,8319.91 ; Down1.7@9283.07,8344.44 ccw(c9283.07,8403.66) 9324.94,8361.79 ccw(c9366.81,8319.91) Down1.7@9307.6,8319.91 ; P10.3@12250,8971.26 cw(c12201.72,8971.26) 12235.86,8937.12 cw(c12270,8902.98) P10.3@12270,8951.26
PA8: P3.2 R31.1 Right1.8 | length 5490.1
  Top Layer w10: P3.2@10958.26,9750 P3.2@10970,9750
  Bottom Layer w10: R31.1@6775,9280 7055,9560 8870,9560 9188,9242 9599.86,9242 9787.18,9429.32 9787.18,9431.73 10420.46,10065 10542.92,10065 Right1.8@10593.09,10115.17 P3.2@10958.26,9750 ; R31.1@6775,9296.65 ccw(c6775,9336.86) 6803.43,9308.43 ccw(c6831.86,9280) R31.1@6791.65,9280 ; Right1.8@10568.57,10115.17 cw(c10509.35,10115.17) 10551.22,10073.3 cw(c10593.09,10031.43) 10593.09,10090.64 cw(c10593.09,10031.43) 10634.96,10073.3 cw(c10676.84,10115.17) Right1.8@10617.62,10115.17 ; Right1.8@10578.57,10115.17 cw(c10543.49,10115.17) 10568.29,10090.37 cw(c10593.09,10065.57) 10593.09,10100.64 cw(c10593.09,10065.57) 10617.89,10090.37 cw(c10642.69,10115.17) Right1.8@10607.62,10115.17 ; 10908.1,9800.17 ccw(c10970,9862.07) P3.2@10970,9774.53 ; 10925.17,9783.1 ccw(c10970,9827.93) P3.2@10970,9764.53 ; 10936.43,9771.84 cw(c10914.59,9750) P3.2@10945.47,9750 ; 10942.24,9766.03 ccw(c10970,9793.79) P3.2@10970,9754.53
PA9: R33.1 Right1.7 U16.4 | length 7760.8
  Top Layer w10: Right1.7@10493.09,10090.64 cw(c10493.09,10031.43) 10534.96,10073.3 cw(c10576.84,10115.17) Right1.7@10517.62,10115.17 ; Right1.7@10493.09,10100.64 cw(c10493.09,10065.57) 10517.89,10090.37 cw(c10542.69,10115.17) Right1.7@10507.62,10115.17 ; Right1.7@10493.09,10115.17 10550.57,10057.7 10722.44,10057.7 11690,9090.14 11690,7765 U16.4@11765,7690 ; U16.4@11745,7690 ccw(c11696.72,7690) 11730.86,7724.14 ccw(c11765,7758.28) U16.4@11765,7710
  Bottom Layer w10: R33.1@6775,9380 6997,9602 8222.46,9602 8280.46,9660 8800,9660 9200,9260 9592.4,9260 9669.18,9336.78 9669.18,9339.18 9761.13,9431.13 9761.57,9431.13 9769.18,9438.75 9769.18,9439.18 10445.17,10115.17 ; R33.1@6775,9396.65 ccw(c6775,9436.86) 6803.43,9408.43 ccw(c6831.86,9380) R33.1@6791.65,9380 ; Right1.7@10473.2,10100.83 ccw(c10445.17,10080.63) 10445.17,10115.17 ; Right1.7@10473.2,10129.52 cw(c10445.17,10149.72) 10445.17,10115.17 ; Right1.7@10493.09,10115.17 10445.17,10115.17